# Allegro board ultrasound_tnr_1000a_01_20171121.brd (continued)
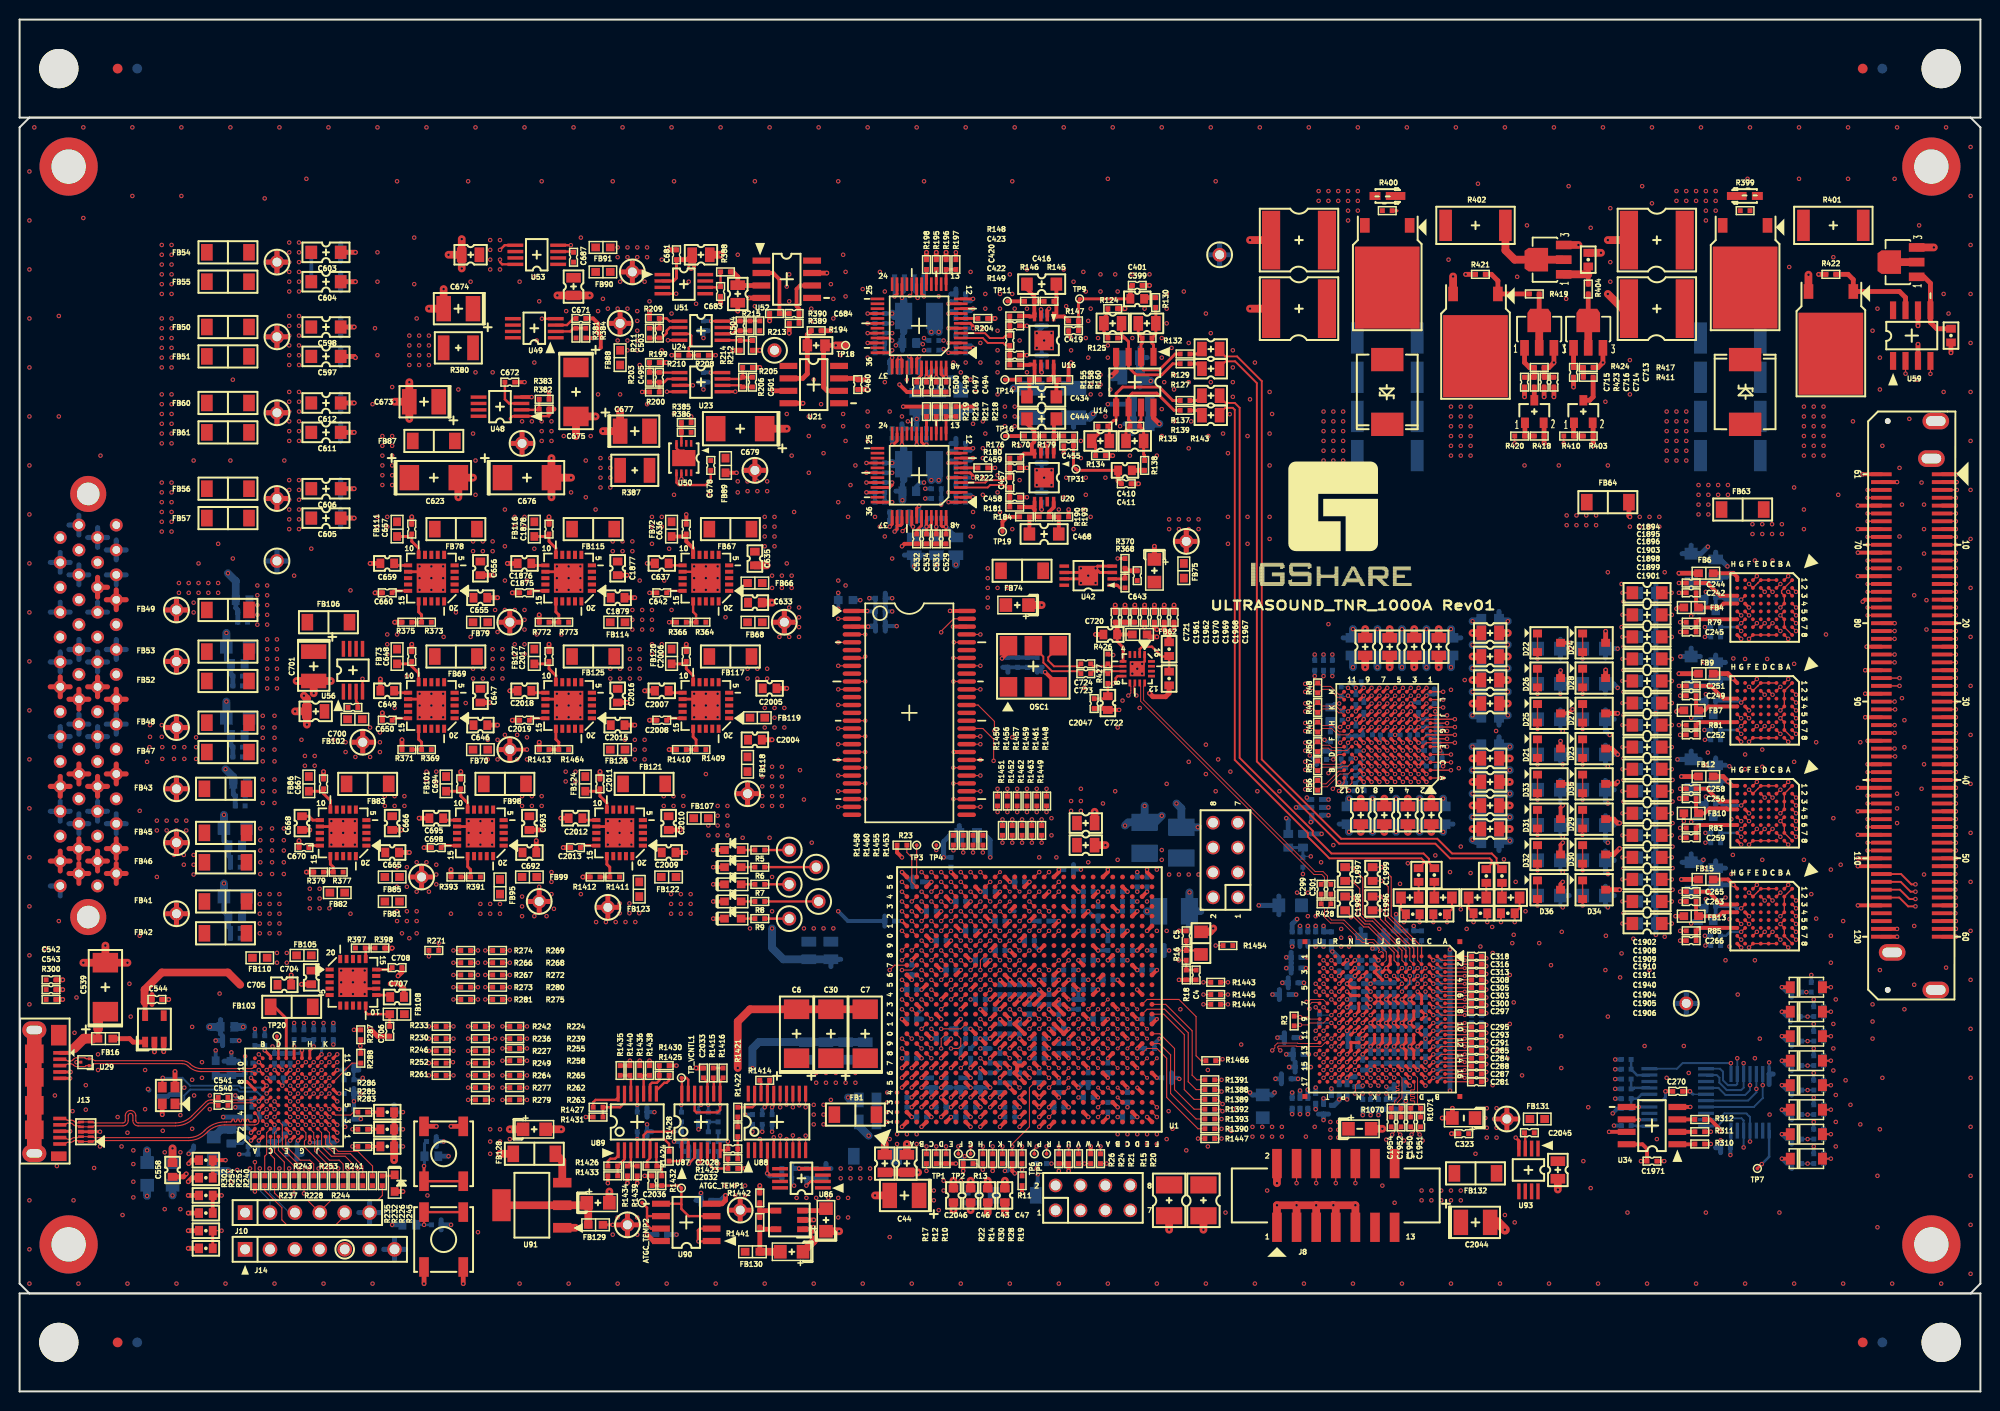
[diagram p0: board, top side]
## Footprints (pads in the part's own frame, mm; a bottom-side part is the same pattern mirrored in y, then rotated) (continued)
BGA676_26_1_SMD
  round 0.5 smd: A1(-12.5,12.5) A2(-11.5,12.5) A3(-10.5,12.5) A4(-9.5,12.5) A5(-8.5,12.5) A6(-7.5,12.5) A7(-6.5,12.5) A8(-5.5,12.5) A9(-4.5,12.5) A10(-3.5,12.5) A11(-2.5,12.5) A12(-1.5,12.5) A13(-0.5,12.5) A14(0.5,12.5) A15(1.5,12.5) A16(2.5,12.5) A17(3.5,12.5) A18(4.5,12.5) A19(5.5,12.5) A20(6.5,12.5) A21(7.5,12.5) A22(8.5,12.5) A23(9.5,12.5) A24(10.5,12.5) A25(11.5,12.5) A26(12.5,12.5) AA1(-12.5,-7.5) AA2(-11.5,-7.5) AA3(-10.5,-7.5) AA4(-9.5,-7.5) AA5(-8.5,-7.5) AA6(-7.5,-7.5) AA7(-6.5,-7.5) AA8(-5.5,-7.5) AA9(-4.5,-7.5) AA10(-3.5,-7.5) AA11(-2.5,-7.5) AA12(-1.5,-7.5) AA13(-0.5,-7.5) AA14(0.5,-7.5) AA15(1.5,-7.5) AA16(2.5,-7.5) AA17(3.5,-7.5) AA18(4.5,-7.5) AA19(5.5,-7.5) AA20(6.5,-7.5) AA21(7.5,-7.5) AA22(8.5,-7.5) AA23(9.5,-7.5) AA24(10.5,-7.5) AA25(11.5,-7.5) AA26(12.5,-7.5) AB1(-12.5,-8.5) AB2(-11.5,-8.5) AB3(-10.5,-8.5) AB4(-9.5,-8.5) AB5(-8.5,-8.5) AB6(-7.5,-8.5) AB7(-6.5,-8.5) AB8(-5.5,-8.5) AB9(-4.5,-8.5) AB10(-3.5,-8.5) AB11(-2.5,-8.5) AB12(-1.5,-8.5) AB13(-0.5,-8.5) AB14(0.5,-8.5) AB15(1.5,-8.5) AB16(2.5,-8.5) AB17(3.5,-8.5) AB18(4.5,-8.5) AB19(5.5,-8.5) AB20(6.5,-8.5) AB21(7.5,-8.5) AB22(8.5,-8.5) AB23(9.5,-8.5) AB24(10.5,-8.5) AB25(11.5,-8.5) AB26(12.5,-8.5) AC1(-12.5,-9.5) AC2(-11.5,-9.5) AC3(-10.5,-9.5) AC4(-9.5,-9.5) AC5(-8.5,-9.5) AC6(-7.5,-9.5) AC7(-6.5,-9.5) AC8(-5.5,-9.5) AC9(-4.5,-9.5) AC10(-3.5,-9.5) AC11(-2.5,-9.5) AC12(-1.5,-9.5) AC13(-0.5,-9.5) AC14(0.5,-9.5) AC15(1.5,-9.5) AC16(2.5,-9.5) AC17(3.5,-9.5) AC18(4.5,-9.5) AC19(5.5,-9.5) AC20(6.5,-9.5) AC21(7.5,-9.5) AC22(8.5,-9.5) AC23(9.5,-9.5) AC24(10.5,-9.5) AC25(11.5,-9.5) AC26(12.5,-9.5) AD1(-12.5,-10.5) AD2(-11.5,-10.5) AD3(-10.5,-10.5) AD4(-9.5,-10.5) AD5(-8.5,-10.5) AD6(-7.5,-10.5) AD7(-6.5,-10.5) AD8(-5.5,-10.5) AD9(-4.5,-10.5) AD10(-3.5,-10.5) AD11(-2.5,-10.5) AD12(-1.5,-10.5) AD13(-0.5,-10.5) AD14(0.5,-10.5) AD15(1.5,-10.5) AD16(2.5,-10.5) AD17(3.5,-10.5) AD18(4.5,-10.5) AD19(5.5,-10.5) AD20(6.5,-10.5) AD21(7.5,-10.5) AD22(8.5,-10.5) AD23(9.5,-10.5) AD24(10.5,-10.5) AD25(11.5,-10.5) AD26(12.5,-10.5) AE1(-12.5,-11.5) AE2(-11.5,-11.5) AE3(-10.5,-11.5) AE4(-9.5,-11.5) AE5(-8.5,-11.5) AE6(-7.5,-11.5) AE7(-6.5,-11.5) AE8(-5.5,-11.5) AE9(-4.5,-11.5) AE10(-3.5,-11.5) AE11(-2.5,-11.5) AE12(-1.5,-11.5) AE13(-0.5,-11.5) AE14(0.5,-11.5) AE15(1.5,-11.5) AE16(2.5,-11.5) AE17(3.5,-11.5) AE18(4.5,-11.5) AE19(5.5,-11.5) AE20(6.5,-11.5) AE21(7.5,-11.5) AE22(8.5,-11.5) AE23(9.5,-11.5) AE24(10.5,-11.5) AE25(11.5,-11.5) AE26(12.5,-11.5) AF1(-12.5,-12.5) AF2(-11.5,-12.5) AF3(-10.5,-12.5) AF4(-9.5,-12.5) AF5(-8.5,-12.5) AF6(-7.5,-12.5) AF7(-6.5,-12.5) AF8(-5.5,-12.5) AF9(-4.5,-12.5) AF10(-3.5,-12.5) AF11(-2.5,-12.5) AF12(-1.5,-12.5) AF13(-0.5,-12.5) AF14(0.5,-12.5) AF15(1.5,-12.5) AF16(2.5,-12.5) AF17(3.5,-12.5) AF18(4.5,-12.5) AF19(5.5,-12.5) AF20(6.5,-12.5) AF21(7.5,-12.5) AF22(8.5,-12.5) AF23(9.5,-12.5) AF24(10.5,-12.5) AF25(11.5,-12.5) AF26(12.5,-12.5) B1(-12.5,11.5) B2(-11.5,11.5) B3(-10.5,11.5) B4(-9.5,11.5) B5(-8.5,11.5) B6(-7.5,11.5) B7(-6.5,11.5) B8(-5.5,11.5) B9(-4.5,11.5) B10(-3.5,11.5) B11(-2.5,11.5) B12(-1.5,11.5) B13(-0.5,11.5) B14(0.5,11.5) B15(1.5,11.5) B16(2.5,11.5) B17(3.5,11.5) B18(4.5,11.5) B19(5.5,11.5) B20(6.5,11.5) B21(7.5,11.5) B22(8.5,11.5) B23(9.5,11.5) B24(10.5,11.5) B25(11.5,11.5) B26(12.5,11.5) C1(-12.5,10.5) C2(-11.5,10.5) C3(-10.5,10.5) C4(-9.5,10.5) C5(-8.5,10.5) C6(-7.5,10.5) C7(-6.5,10.5) C8(-5.5,10.5) C9(-4.5,10.5) C10(-3.5,10.5) C11(-2.5,10.5) C12(-1.5,10.5) C13(-0.5,10.5) C14(0.5,10.5) C15(1.5,10.5) C16(2.5,10.5) C17(3.5,10.5) C18(4.5,10.5) C19(5.5,10.5) C20(6.5,10.5) C21(7.5,10.5) C22(8.5,10.5) C23(9.5,10.5) C24(10.5,10.5) C25(11.5,10.5) C26(12.5,10.5) D1(-12.5,9.5) D2(-11.5,9.5) D3(-10.5,9.5) D4(-9.5,9.5) D5(-8.5,9.5) D6(-7.5,9.5) D7(-6.5,9.5) D8(-5.5,9.5) D9(-4.5,9.5) D10(-3.5,9.5) D11(-2.5,9.5) D12(-1.5,9.5) D13(-0.5,9.5) D14(0.5,9.5) D15(1.5,9.5) D16(2.5,9.5) D17(3.5,9.5) D18(4.5,9.5) D19(5.5,9.5) D20(6.5,9.5) D21(7.5,9.5) D22(8.5,9.5) D23(9.5,9.5) D24(10.5,9.5) D25(11.5,9.5) D26(12.5,9.5) E1(-12.5,8.5) E2(-11.5,8.5) E3(-10.5,8.5) E4(-9.5,8.5) E5(-8.5,8.5) E6(-7.5,8.5) E7(-6.5,8.5) E8(-5.5,8.5) E9(-4.5,8.5) E10(-3.5,8.5) E11(-2.5,8.5) E12(-1.5,8.5) E13(-0.5,8.5) E14(0.5,8.5) E15(1.5,8.5) E16(2.5,8.5) E17(3.5,8.5) E18(4.5,8.5) E19(5.5,8.5) E20(6.5,8.5) E21(7.5,8.5) E22(8.5,8.5) E23(9.5,8.5) E24(10.5,8.5) E25(11.5,8.5) E26(12.5,8.5) F1(-12.5,7.5) F2(-11.5,7.5) F3(-10.5,7.5) F4(-9.5,7.5) F5(-8.5,7.5) F6(-7.5,7.5) F7(-6.5,7.5) F8(-5.5,7.5) F9(-4.5,7.5) F10(-3.5,7.5) F11(-2.5,7.5) F12(-1.5,7.5) F13(-0.5,7.5) F14(0.5,7.5) F15(1.5,7.5) F16(2.5,7.5) F17(3.5,7.5) F18(4.5,7.5) F19(5.5,7.5) F20(6.5,7.5) F21(7.5,7.5) F22(8.5,7.5) F23(9.5,7.5) F24(10.5,7.5) F25(11.5,7.5) F26(12.5,7.5) G1(-12.5,6.5) G2(-11.5,6.5) G3(-10.5,6.5) G4(-9.5,6.5) G5(-8.5,6.5) G6(-7.5,6.5) G7(-6.5,6.5) G8(-5.5,6.5) G9(-4.5,6.5) G10(-3.5,6.5) G11(-2.5,6.5) G12(-1.5,6.5) G13(-0.5,6.5) G14(0.5,6.5) G15(1.5,6.5) G16(2.5,6.5) G17(3.5,6.5) G18(4.5,6.5) G19(5.5,6.5) G20(6.5,6.5) G21(7.5,6.5) G22(8.5,6.5) G23(9.5,6.5) G24(10.5,6.5) G25(11.5,6.5) G26(12.5,6.5) H1(-12.5,5.5) H2(-11.5,5.5) H3(-10.5,5.5) H4(-9.5,5.5) H5(-8.5,5.5) H6(-7.5,5.5) H7(-6.5,5.5) H8(-5.5,5.5) H9(-4.5,5.5) H10(-3.5,5.5) H11(-2.5,5.5) H12(-1.5,5.5) H13(-0.5,5.5) H14(0.5,5.5) H15(1.5,5.5) H16(2.5,5.5) H17(3.5,5.5) H18(4.5,5.5) H19(5.5,5.5) H20(6.5,5.5) H21(7.5,5.5) H22(8.5,5.5) H23(9.5,5.5) H24(10.5,5.5) H25(11.5,5.5) H26(12.5,5.5) J1(-12.5,4.5) J2(-11.5,4.5) J3(-10.5,4.5) J4(-9.5,4.5) J5(-8.5,4.5) J6(-7.5,4.5) J7(-6.5,4.5) J8(-5.5,4.5) J9(-4.5,4.5) J10(-3.5,4.5) J11(-2.5,4.5) J12(-1.5,4.5) J13(-0.5,4.5) J14(0.5,4.5) J15(1.5,4.5) J16(2.5,4.5) J17(3.5,4.5) J18(4.5,4.5) J19(5.5,4.5) J20(6.5,4.5) J21(7.5,4.5) J22(8.5,4.5) J23(9.5,4.5) J24(10.5,4.5) J25(11.5,4.5) J26(12.5,4.5) K1(-12.5,3.5) K2(-11.5,3.5) K3(-10.5,3.5) K4(-9.5,3.5) K5(-8.5,3.5) K6(-7.5,3.5) K7(-6.5,3.5) K8(-5.5,3.5) K9(-4.5,3.5) K10(-3.5,3.5) K11(-2.5,3.5) K12(-1.5,3.5) K13(-0.5,3.5) K14(0.5,3.5) K15(1.5,3.5) K16(2.5,3.5) K17(3.5,3.5) K18(4.5,3.5) K19(5.5,3.5) K20(6.5,3.5) K21(7.5,3.5) K22(8.5,3.5) K23(9.5,3.5) K24(10.5,3.5) K25(11.5,3.5) K26(12.5,3.5) L1(-12.5,2.5) L2(-11.5,2.5) L3(-10.5,2.5) L4(-9.5,2.5) L5(-8.5,2.5) L6(-7.5,2.5) L7(-6.5,2.5) L8(-5.5,2.5) L9(-4.5,2.5) L10(-3.5,2.5) L11(-2.5,2.5) L12(-1.5,2.5) L13(-0.5,2.5) L14(0.5,2.5) L15(1.5,2.5) L16(2.5,2.5) L17(3.5,2.5) L18(4.5,2.5) L19(5.5,2.5) L20(6.5,2.5) L21(7.5,2.5) L22(8.5,2.5) L23(9.5,2.5) L24(10.5,2.5) L25(11.5,2.5) L26(12.5,2.5) M1(-12.5,1.5) M2(-11.5,1.5) M3(-10.5,1.5) M4(-9.5,1.5) M5(-8.5,1.5) M6(-7.5,1.5) M7(-6.5,1.5) M8(-5.5,1.5) M9(-4.5,1.5) M10(-3.5,1.5) M11(-2.5,1.5) M12(-1.5,1.5) M13(-0.5,1.5) M14(0.5,1.5) M15(1.5,1.5) M16(2.5,1.5) M17(3.5,1.5) M18(4.5,1.5) M19(5.5,1.5) M20(6.5,1.5) M21(7.5,1.5) M22(8.5,1.5) M23(9.5,1.5) M24(10.5,1.5) M25(11.5,1.5) M26(12.5,1.5) N1(-12.5,0.5) N2(-11.5,0.5) N3(-10.5,0.5) N4(-9.5,0.5) N5(-8.5,0.5) N6(-7.5,0.5) N7(-6.5,0.5) N8(-5.5,0.5) N9(-4.5,0.5) N10(-3.5,0.5) N11(-2.5,0.5) N12(-1.5,0.5) N13(-0.5,0.5) N14(0.5,0.5) N15(1.5,0.5) N16(2.5,0.5) N17(3.5,0.5) N18(4.5,0.5) N19(5.5,0.5) N20(6.5,0.5) N21(7.5,0.5) N22(8.5,0.5) N23(9.5,0.5) N24(10.5,0.5) N25(11.5,0.5) N26(12.5,0.5) P1(-12.5,-0.5) P2(-11.5,-0.5) P3(-10.5,-0.5) P4(-9.5,-0.5) P5(-8.5,-0.5) P6(-7.5,-0.5) P7(-6.5,-0.5) P8(-5.5,-0.5) P9(-4.5,-0.5) P10(-3.5,-0.5) P11(-2.5,-0.5) P12(-1.5,-0.5) P13(-0.5,-0.5) P14(0.5,-0.5) P15(1.5,-0.5) P16(2.5,-0.5) P17(3.5,-0.5) P18(4.5,-0.5) P19(5.5,-0.5) P20(6.5,-0.5) P21(7.5,-0.5) P22(8.5,-0.5) P23(9.5,-0.5) P24(10.5,-0.5) P25(11.5,-0.5) P26(12.5,-0.5) R1(-12.5,-1.5) R2(-11.5,-1.5) R3(-10.5,-1.5) R4(-9.5,-1.5) R5(-8.5,-1.5) R6(-7.5,-1.5) R7(-6.5,-1.5) R8(-5.5,-1.5) R9(-4.5,-1.5) R10(-3.5,-1.5) R11(-2.5,-1.5) R12(-1.5,-1.5) R13(-0.5,-1.5) R14(0.5,-1.5) R15(1.5,-1.5) R16(2.5,-1.5) R17(3.5,-1.5) R18(4.5,-1.5) R19(5.5,-1.5) R20(6.5,-1.5) R21(7.5,-1.5) R22(8.5,-1.5) R23(9.5,-1.5) R24(10.5,-1.5) R25(11.5,-1.5) R26(12.5,-1.5) T1(-12.5,-2.5) T2(-11.5,-2.5) T3(-10.5,-2.5) T4(-9.5,-2.5) T5(-8.5,-2.5) T6(-7.5,-2.5) T7(-6.5,-2.5) T8(-5.5,-2.5) T9(-4.5,-2.5) T10(-3.5,-2.5) T11(-2.5,-2.5) T12(-1.5,-2.5) T13(-0.5,-2.5) T14(0.5,-2.5) T15(1.5,-2.5) T16(2.5,-2.5) T17(3.5,-2.5) T18(4.5,-2.5) T19(5.5,-2.5) T20(6.5,-2.5) T21(7.5,-2.5) T22(8.5,-2.5) T23(9.5,-2.5) T24(10.5,-2.5) T25(11.5,-2.5) T26(12.5,-2.5) U1(-12.5,-3.5) U2(-11.5,-3.5) U3(-10.5,-3.5) U4(-9.5,-3.5) U5(-8.5,-3.5) U6(-7.5,-3.5) U7(-6.5,-3.5) U8(-5.5,-3.5) U9(-4.5,-3.5) U10(-3.5,-3.5) U11(-2.5,-3.5) U12(-1.5,-3.5) U13(-0.5,-3.5) U14(0.5,-3.5) U15(1.5,-3.5) U16(2.5,-3.5) U17(3.5,-3.5) U18(4.5,-3.5) U19(5.5,-3.5) U20(6.5,-3.5) U21(7.5,-3.5) U22(8.5,-3.5) U23(9.5,-3.5) U24(10.5,-3.5) U25(11.5,-3.5) U26(12.5,-3.5) V1(-12.5,-4.5) V2(-11.5,-4.5) V3(-10.5,-4.5) V4(-9.5,-4.5) V5(-8.5,-4.5) V6(-7.5,-4.5) V7(-6.5,-4.5) V8(-5.5,-4.5) V9(-4.5,-4.5) V10(-3.5,-4.5) V11(-2.5,-4.5) V12(-1.5,-4.5) V13(-0.5,-4.5) V14(0.5,-4.5) V15(1.5,-4.5) V16(2.5,-4.5) V17(3.5,-4.5) V18(4.5,-4.5) V19(5.5,-4.5) V20(6.5,-4.5) V21(7.5,-4.5) V22(8.5,-4.5) V23(9.5,-4.5) V24(10.5,-4.5) V25(11.5,-4.5) V26(12.5,-4.5) W1(-12.5,-5.5) W2(-11.5,-5.5) W3(-10.5,-5.5) W4(-9.5,-5.5) W5(-8.5,-5.5) W6(-7.5,-5.5) W7(-6.5,-5.5) W8(-5.5,-5.5) W9(-4.5,-5.5) W10(-3.5,-5.5) W11(-2.5,-5.5) W12(-1.5,-5.5) W13(-0.5,-5.5) W14(0.5,-5.5) W15(1.5,-5.5) W16(2.5,-5.5) W17(3.5,-5.5) W18(4.5,-5.5) W19(5.5,-5.5) W20(6.5,-5.5) W21(7.5,-5.5) W22(8.5,-5.5) W23(9.5,-5.5) W24(10.5,-5.5) W25(11.5,-5.5) W26(12.5,-5.5) Y1(-12.5,-6.5) Y2(-11.5,-6.5) Y3(-10.5,-6.5) Y4(-9.5,-6.5) Y5(-8.5,-6.5) Y6(-7.5,-6.5) Y7(-6.5,-6.5) Y8(-5.5,-6.5) Y9(-4.5,-6.5) Y10(-3.5,-6.5) Y11(-2.5,-6.5) Y12(-1.5,-6.5) Y13(-0.5,-6.5) Y14(0.5,-6.5) Y15(1.5,-6.5) Y16(2.5,-6.5) Y17(3.5,-6.5) Y18(4.5,-6.5) Y19(5.5,-6.5) Y20(6.5,-6.5) Y21(7.5,-6.5) Y22(8.5,-6.5) Y23(9.5,-6.5) Y24(10.5,-6.5) Y25(11.5,-6.5) Y26(12.5,-6.5)
BOX_HEADER2X7_2MM_SMD
  rect 0.991x2.997 smd: 1(-6,-3.25) 2(-6,3.25) 3(-4,-3.25) 4(-4,3.25) 5(-2,-3.25) 6(-2,3.25) 7(0,-3.25) 8(0,3.25) 9(2,-3.25) 10(2,3.25) 11(4,-3.25) 12(4,3.25) 13(6,-3.25) 14(6,3.25)
CC1005
  rect 0.508x0.508 smd: 1(-0.5,0) 2(0.5,0)
CC1608
  rect 0.813x0.991 smd: 1(-0.7,0) 2(0.7,0)
CC2012
  rect 0.991x1.499 smd: 1(-0.9,0) 2(0.9,0)
CC3216
  rect 1.194x1.346 smd: 1(-1.5,0) 2(1.5,0)
CC3225
  rect 1.753x2.692 smd: 1(-1.575,0) 2(1.575,0)
CC5750
  rect 1.854x5.994 smd: 1(-2.848,0) 2(2.848,0)
DFN8_3_0_5
  rect 0.254x0.686 smd: 1(-0.75,-1.5) 2(-0.25,-1.5) 3(0.25,-1.5) 4(0.75,-1.5) 5(0.75,1.5) 6(0.25,1.5) 7(-0.25,1.5) 8(-0.75,1.5)
  rect 2.388x1.651 smd: 9(0,0)
DGN8_3_0_65
  rect 0.356x0.991 smd: 1(-0.975,-2.45) 2(-0.325,-2.45) 3(0.325,-2.45) 4(0.975,-2.45) 5(0.975,2.45) 6(0.325,2.45) 7(-0.325,2.45) 8(-0.975,2.45)
  rect 2.007x2.007 smd: 9(0,0)
DO-214AB
  rect 2.388x3.302 smd: 1(3.3,0) 2(-3.3,0)
EVQQ2
  rect 2.007x0.991 smd: 1(-2.8,2) 2(-2.8,-2) 3(2.8,2) 4(2.8,-2)
FX18-120S_0_8SV15-HRS
  round 0.584 hole 0.61 unplated: (-29.025,-2.45) (29.025,-2.45)
  rect 0.406x2.108 smd: 1(-23.6,3.1) 2(-22.8,3.1) 3(-22,3.1) 4(-21.2,3.1) 5(-20.4,3.1) 6(-19.6,3.1) 7(-18.8,3.1) 8(-18,3.1) 9(-17.2,3.1) 10(-16.4,3.1) 11(-15.6,3.1) 12(-14.8,3.1) 13(-14,3.1) 14(-13.2,3.1) 15(-12.4,3.1) 16(-11.6,3.1) 17(-10.8,3.1) 18(-10,3.1) 19(-9.2,3.1) 20(-8.4,3.1) 21(-7.6,3.1) 22(-6.8,3.1) 23(-6,3.1) 24(-5.2,3.1) 25(-4.4,3.1) 26(-3.6,3.1) 27(-2.8,3.1) 28(-2,3.1) 29(-1.2,3.1) 30(-0.4,3.1) 31(0.4,3.1) 32(1.2,3.1) 33(2,3.1) 34(2.8,3.1) 35(3.6,3.1) 36(4.4,3.1) 37(5.2,3.1) 38(6,3.1) 39(6.8,3.1) 40(7.6,3.1) 41(8.4,3.1) 42(9.2,3.1) 43(10,3.1) 44(10.8,3.1) 45(11.6,3.1) 46(12.4,3.1) 47(13.2,3.1) 48(14,3.1) 49(14.8,3.1) 50(15.6,3.1) 51(16.4,3.1) 52(17.2,3.1) 53(18,3.1) 54(18.8,3.1) 55(19.6,3.1) 56(20.4,3.1) 57(21.2,3.1) 58(22,3.1) 59(22.8,3.1) 60(23.6,3.1) 61(-23.6,-3.1) 62(-22.8,-3.1) 63(-22,-3.1) 64(-21.2,-3.1) 65(-20.4,-3.1) 66(-19.6,-3.1) 67(-18.8,-3.1) 68(-18,-3.1) 69(-17.2,-3.1) 70(-16.4,-3.1) 71(-15.6,-3.1) 72(-14.8,-3.1) 73(-14,-3.1) 74(-13.2,-3.1) 75(-12.4,-3.1) 76(-11.6,-3.1) 77(-10.8,-3.1) 78(-10,-3.1) 79(-9.2,-3.1) 80(-8.4,-3.1) 81(-7.6,-3.1) 82(-6.8,-3.1) 83(-6,-3.1) 84(-5.2,-3.1) 85(-4.4,-3.1) 86(-3.6,-3.1) 87(-2.8,-3.1) 88(-2,-3.1) 89(-1.2,-3.1) 90(-0.4,-3.1) 91(0.4,-3.1) 92(1.2,-3.1) 93(2,-3.1) 94(2.8,-3.1) 95(3.6,-3.1) 96(4.4,-3.1) 97(5.2,-3.1) 98(6,-3.1) 99(6.8,-3.1) 100(7.6,-3.1) 101(8.4,-3.1) 102(9.2,-3.1) 103(10,-3.1) 104(10.8,-3.1) 105(11.6,-3.1) 106(12.4,-3.1) 107(13.2,-3.1) 108(14,-3.1) 109(14.8,-3.1) 110(15.6,-3.1) 111(16.4,-3.1) 112(17.2,-3.1) 113(18,-3.1) 114(18.8,-3.1) 115(19.6,-3.1) 116(20.4,-3.1) 117(21.2,-3.1) 118(22,-3.1) 119(22.8,-3.1) 120(23.6,-3.1)
  oval 1.702x2.718 hole 0.991x2.007: 121(-29.025,2.45) 122(-25.2,2) 123(25.2,-2) 124(29.025,2.45)
HEADER2X4_2_54MM
  round 1.397 hole 0.991: 1(-5.08,-1.27) 2(-5.08,1.27) 3(-2.54,-1.27) 4(-2.54,1.27) 5(0,-1.27) 6(0,1.27) 7(2.54,-1.27) 8(2.54,1.27)
HEADER6
  rect 1.499x1.499 hole 1: 1(0,0)
  round 1.499 hole 1: 2(2.54,0) 3(5.08,0) 4(7.62,0) 5(10.16,0) 6(12.7,0)
HEADER7
  rect 1.499x1.499 hole 1: 1(0,0)
  round 1.499 hole 1: 2(2.54,0) 3(5.08,0) 4(7.62,0) 5(10.16,0) 6(12.7,0) 7(15.24,0)
HOLE3_5
  round 5.944 hole 3.5: 1(0,0)
LED1608
  rect 0.889x0.813 smd: 1(-0.851,0) 2(0.851,0)
MAX4968
  round 0.4 smd: A1(-2.8,2.8) A2(-2,2.8) A3(-1.2,2.8) A4(-0.4,2.8) A5(0.4,2.8) A6(1.2,2.8) A7(2,2.8) A8(2.8,2.8) B1(-2.8,2) B2(-2,2) B3(-1.2,2) B4(-0.4,2) B5(0.4,2) B6(1.2,2) B7(2,2) B8(2.8,2) C1(-2.8,1.2) C2(-2,1.2) C3(-1.2,1.2) C4(-0.4,1.2) C5(0.4,1.2) C6(1.2,1.2) C7(2,1.2) C8(2.8,1.2) D1(-2.8,0.4) D2(-2,0.4) D3(-1.2,0.4) D4(-0.4,0.4) D5(0.4,0.4) D6(1.2,0.4) D7(2,0.4) D8(2.8,0.4) E1(-2.8,-0.4) E2(-2,-0.4) E3(-1.2,-0.4) E4(-0.4,-0.4) E5(0.4,-0.4) E6(1.2,-0.4) E7(2,-0.4) E8(2.8,-0.4) F1(-2.8,-1.2) F2(-2,-1.2) F3(-1.2,-1.2) F4(-0.4,-1.2) F5(0.4,-1.2) F6(1.2,-1.2) F7(2,-1.2) F8(2.8,-1.2) G1(-2.8,-2) G2(-2,-2) G3(-1.2,-2) G4(-0.4,-2) G5(0.4,-2) G6(1.2,-2) G7(2,-2) G8(2.8,-2) H1(-2.8,-2.8) H2(-2,-2.8) H3(-1.2,-2.8) H4(-0.4,-2.8) H5(0.4,-2.8) H6(1.2,-2.8) H7(2,-2.8) H8(2.8,-2.8)
MSOP8_3_4_9_0_65
  rect 0.356x1.626 smd: 1(-0.975,-2.185) 2(-0.325,-2.185) 3(0.325,-2.185) 4(0.975,-2.185) 5(0.975,2.185) 6(0.325,2.185) 7(-0.325,2.185) 8(-0.975,2.185)
NX2520SA
  rect 1.092x0.914 smd: 1(-0.85,-0.65) 2(0.85,-0.65) 3(0.85,0.65) 4(-0.85,0.65)
QFN16WH3_00P0_500F0_60H1_55
  rect 0.279x0.711 smd: 1(-0.75,-1.45) 2(-0.25,-1.45) 3(0.25,-1.45) 4(0.75,-1.45) 9(0.75,1.45) 10(0.25,1.45) 11(-0.25,1.45) 12(-0.75,1.45)
  rect 0.711x0.279 smd: 5(1.45,-0.75) 6(1.45,-0.25) 7(1.45,0.25) 8(1.45,0.75) 13(-1.45,0.75) 14(-1.45,0.25) 15(-1.45,-0.25) 16(-1.45,-0.75)
  rect 1.549x1.549 smd: 17(0,0)
QFN20WH5_00P0_650F0_55H3_00
  rect 0.406x0.838 smd: 1(-1.3,-2.375) 2(-0.65,-2.375) 3(0,-2.375) 4(0.65,-2.375) 5(1.3,-2.375) 11(1.3,2.375) 12(0.65,2.375) 13(0,2.375) 14(-0.65,2.375) 15(-1.3,2.375)
  rect 0.838x0.406 smd: 6(2.375,-1.3) 7(2.375,-0.65) 8(2.375,0) 9(2.375,0.65) 10(2.375,1.3) 16(-2.375,1.3) 17(-2.375,0.65) 18(-2.375,0) 19(-2.375,-0.65) 20(-2.375,-1.3)
  rect 2.997x2.997 smd: 21(0,0)
QFP48WH8_50P0_500F1_40
  rect 0.279x1.397 smd: 1(-2.75,-4.25) 2(-2.25,-4.25) 3(-1.75,-4.25) 4(-1.25,-4.25) 5(-0.75,-4.25) 6(-0.25,-4.25) 7(0.25,-4.25) 8(0.75,-4.25) 9(1.25,-4.25) 10(1.75,-4.25) 11(2.25,-4.25) 12(2.75,-4.25) 25(2.75,4.25) 26(2.25,4.25) 27(1.75,4.25) 28(1.25,4.25) 29(0.75,4.25) 30(0.25,4.25) 31(-0.25,4.25) 32(-0.75,4.25) 33(-1.25,4.25) 34(-1.75,4.25) 35(-2.25,4.25) 36(-2.75,4.25)
  rect 1.397x0.279 smd: 13(4.25,-2.75) 14(4.25,-2.25) 15(4.25,-1.75) 16(4.25,-1.25) 17(4.25,-0.75) 18(4.25,-0.25) 19(4.25,0.25) 20(4.25,0.75) 21(4.25,1.25) 22(4.25,1.75) 23(4.25,2.25) 24(4.25,2.75) 37(-4.25,2.75) 38(-4.25,2.25) 39(-4.25,1.75) 40(-4.25,1.25) 41(-4.25,0.75) 42(-4.25,0.25) 43(-4.25,-0.25) 44(-4.25,-0.75) 45(-4.25,-1.25) 46(-4.25,-1.75) 47(-4.25,-2.25) 48(-4.25,-2.75)
RC1005
  rect 0.508x0.508 smd: 1(-0.5,0) 2(0.5,0)
RC1608
  rect 0.813x0.991 smd: 1(-0.7,0) 2(0.7,0)
RC2012
  rect 0.991x1.245 smd: 1(-0.9,0) 2(0.9,0)
RC3216
  rect 1.194x1.346 smd: 1(-1.5,0) 2(1.5,0)
RC3225
  rect 1.194x2.54 smd: 1(-1.5,0) 2(1.5,0)
RC6432
  rect 1.295x3.2 smd: 1(-3.05,0) 2(3.05,0)
SLO-10
  rect 1.803x2.007 smd: 1(-2.54,-2.1) 2(0,-2.1) 3(2.54,-2.1) 4(2.54,2.1) 5(0,2.1) 6(-2.54,2.1)
SOD-123W
  rect 0.914x1.219 smd: 1(-1.638,0) 2(1.638,0)
SOP8_3_9_6_1_27
  rect 0.635x1.829 smd: 1(-1.905,-2.583) 2(-0.635,-2.583) 3(0.635,-2.583) 4(1.905,-2.583) 5(1.905,2.583) 6(0.635,2.583) 7(-0.635,2.583) 8(-1.905,2.583)
SOP10W1P0_500F0_55
  rect 0.279x0.61 smd: 1(-1,-0.5) 2(-0.5,-0.5) 4(0.5,-0.5) 5(1,-0.5) 6(1,0.5) 7(0.5,0.5) 9(-0.5,0.5) 10(-1,0.5)
  rect 0.406x0.61 smd: 3(0,-0.5) 8(0,0.5)
SOT23
  rect 0.813x1.067 smd: 1(-0.954,-1.147) 2(0.954,-1.147) 3(0,1.147)
SOT23-5P
  rect 0.61x1.092 smd: 1(-0.95,-1.35) 2(0,-1.35) 3(0.95,-1.35) 4(0.95,1.35) 5(-0.95,1.35)
SOT89-B
  rect 0.889x1.6 smd: 1(-1.499,0) 2(0,0) 3(1.499,0)
  custom 2.413x2.4 smd: 4(0,2.794)
SOT-3P_DRT
  rect 0.305x0.305 smd: 1(-0.35,-0.35) 2(0.35,-0.35) 3(0,0.5)
SOT-23
  rect 0.813x0.914 smd: 1(-0.95,-1.175) 2(0.95,-1.175) 3(0,1.175)
SOT-223
  rect 0.991x1.88 smd: 1(-2.3,-3.099) 2(0,-3.099) 3(2.3,-3.099)
  rect 3.277x1.88 smd: 4(0,3.099)
TC2012
  rect 1.295x1.397 smd: 1(-1.156,0) 2(1.156,0)
TC3528
  rect 1.499x2.591 smd: 1(-1.5,0) 2(1.5,0)
TC6032
  rect 2.007x2.591 smd: 1(-2.5,0) 2(2.5,0)
TO-252
  rect 0.991x1.499 smd: 1(-2.286,0) 3(2.286,0)
  rect 6.604x8.382 smd: 2(0,6.35)
TP0_5_SMD
  round 0.406 smd: 1(0,0)
TSSOP14_4_4_6_4_0_65
  rect 0.33x1.626 smd: 1(-1.95,-2.888) 2(-1.3,-2.888) 3(-0.65,-2.888) 4(0,-2.888) 5(0.65,-2.888) 6(1.3,-2.888) 7(1.95,-2.888) 8(1.95,2.888) 9(1.3,2.888) 10(0.65,2.888) 11(0,2.888) 12(-0.65,2.888) 13(-1.3,2.888) 14(-1.95,2.888)
TSSOP20_4_4_6_4_0_65
  rect 0.33x1.626 smd: 1(-2.925,-2.888) 2(-2.275,-2.888) 3(-1.625,-2.888) 4(-0.975,-2.888) 5(-0.325,-2.888) 6(0.325,-2.888) 7(0.975,-2.888) 8(1.625,-2.888) 9(2.275,-2.888) 10(2.925,-2.888) 11(2.925,2.888) 12(2.275,2.888) 13(1.625,2.888) 14(0.975,2.888) 15(0.325,2.888) 16(-0.325,2.888) 17(-0.975,2.888) 18(-1.625,2.888) 19(-2.275,2.888) 20(-2.925,2.888)
TSSOP54W12_00P0_800F0_80
  oval 0.457x1.905 smd: 1(-10.4,-5.85) 2(-9.6,-5.85) 3(-8.8,-5.85) 4(-8,-5.85) 5(-7.2,-5.85) 6(-6.4,-5.85) 7(-5.6,-5.85) 8(-4.8,-5.85) 9(-4,-5.85) 10(-3.2,-5.85) 11(-2.4,-5.85) 12(-1.6,-5.85) 13(-0.8,-5.85) 14(0,-5.85) 15(0.8,-5.85) 16(1.6,-5.85) 17(2.4,-5.85) 18(3.2,-5.85) 19(4,-5.85) 20(4.8,-5.85) 21(5.6,-5.85) 22(6.4,-5.85) 23(7.2,-5.85) 24(8,-5.85) 25(8.8,-5.85) 26(9.6,-5.85) 27(10.4,-5.85) 28(10.4,5.85) 29(9.6,5.85) 30(8.8,5.85) 31(8,5.85) 32(7.2,5.85) 33(6.4,5.85) 34(5.6,5.85) 35(4.8,5.85) 36(4,5.85) 37(3.2,5.85) 38(2.4,5.85) 39(1.6,5.85) 40(0.8,5.85) 41(0,5.85) 42(-0.8,5.85) 43(-1.6,5.85) 44(-2.4,5.85) 45(-3.2,5.85) 46(-4,5.85) 47(-4.8,5.85) 48(-5.6,5.85) 49(-6.4,5.85) 50(-7.2,5.85) 51(-8,5.85) 52(-8.8,5.85) 53(-9.6,5.85) 54(-10.4,5.85)
unnamed#2
  round 4 hole 4 unplated: (0,0)
unnamed#3
  round 1 smd: (0,0)
ZD-TFZ12B
  rect 2.007x0.813 smd: 1(1.35,0)
  rect 1.118x0.813 smd: 2(-0.75,0)
ZX360D-B-10P
  rect 0.381x1.346 smd: 1(-1.3,2.6) 2(-0.65,2.6) 3(0,2.6) 4(0.65,2.6) 5(1.3,2.6) 6(5.4,2.6) 7(6.05,2.6) 8(6.7,2.6) 9(7.35,2.6) 10(8,2.6)
  oval 1.778x2.464 hole 0.85x1.6: 11(-3.635,0) 12(8.965,0)
  rect 1.905x1.905 smd: 13(-1.2,0) 14(1.2,0) 15(4.05,0) 16(6.55,0)
  rect 2.108x1.6 smd: S1(-3.1,2.5)
  rect 0.991x1.6 smd: S2(9.25,2.5)

## Nets
A1V2P_USB: C555.2 C556.2 FB84.2 U26.A7
A1V8P_AFE: C322.1 C324.1 C325.1 C339.1 C340.1 C341.1 C343.1 FB79.2 TH22.1 U11.L5 U11.L6 U11.L7 U11.L11 U11.L12 U11.L13
A3V3N_PLS: C227.1 C228.1 C229.1 C230.1 C232.1 C233.1 C234.1 C235.1 C236.1 FB75.2 TH17.1 U3.G3 U3.G4 U3.G5 U3.G6 U3.G7 U3.G8 U3.H3 U3.J2 U3.J3
A3V3N_VCNTL: C2025.1 C2035.1 C2038.1 FB130.2 TH45.1 U87.11 U89.11 U90.4
A3V3P_AFE: C326.1 C327.1 C328.1 C329.1 C330.1 C331.1 C332.1 C333.1 C334.1 C344.1 C345.1 C346.1 C347.1 C348.1 C349.1 C350.1 C351.1 C352.1 C353.1 C354.1 C355.1 C356.1 C357.1 C358.1 C359.1 C360.1 C361.1 C362.1 C363.1 FB114.2 U11.E6 U11.E7 U11.E11 U11.E12 U11.E13 U11.E14 U11.F6 U11.F7 U11.F11 U11.F12 U11.F13 U11.F14 U11.G6 U11.G7 U11.G11 U11.G12 U11.H6 U11.H7 U11.H11 U11.H12 U11.J6 U11.J7 U11.J11 U11.J12 U11.K6 U11.K7 U11.K11 U11.K12
A3V3P_HVMUX: FB4.2 FB7.2 FB10.2 FB13.2 FB66.2
A3V3P_PLS: C215.1 C216.1 C217.1 C218.1 C219.1 C220.1 C221.1 C222.1 C223.1 FB68.2 TH15.1 U3.D2 U3.D3 U3.E3 U3.F3 U3.F4 U3.F5 U3.F6 U3.F7 U3.F8
A3V3P_VCNTL: C2020.1 C2021.1 C2022.1 C2023.1 C2027.1 C2030.1 C2031.1 C2034.1 C2037.1 FB129.2 R1414.2 TH44.1 U86.2 U87.4 U88.16 U88.17 U89.4 U90.8
A3V5P: C629.1 C630.1 C631.1 C632.1 C635.1 C656.1 C1877.1 FB47.2 FB48.2 FB67.1 FB78.1 FB115.1
A3V5P_IN: FB47.1 FB48.1 J12.25 J12.26 J12.27 J12.28 TH11.1
A5VN_CW: C402.1 C403.1 C417.2 C418.1 C452.1 FB89.2 TH31.1 U14.4 U16.6 U20.6
A5VP_AFE: C320.1 C321.1 C323.1 C335.1 C336.1 C337.1 C338.1 C342.1 FB131.2 TH46.1 U11.D6 U11.D7 U11.D8 U11.D9 U11.D10 U11.D11 U11.D12
A5VP_BIAS: FB72.1 FB73.1 FB86.1 FB101.1 FB102.2 FB108.1 FB111.1 FB116.1 FB120.1 FB124.1 FB127.1 TH41.1
A5VP_CW: C395.1 C397.1 C428.2 C429.1 C460.2 C462.2 C477.1 C478.1 C479.1 C480.1 C481.1 C482.1 C483.1 C484.1 C485.1 C486.1 C487.1 C488.1 C489.1 C490.1 C513.1 C514.1 C515.1 C516.1 C517.1 C518.1 C519.1 C520.1 C521.1 C522.1 C523.1 C524.1 C525.1 C526.1 C680.1 C681.1 FB88.2 TH30.1 U14.8 U16.3 U20.3 U21.7 U22.2 U22.7 U22.10 U22.12 U22.42 U25.2 U25.7 U25.10 U25.12 U25.42 U51.2 U52.7
A6VN: C594.1 C595.1 C596.1 C644.2 C2041.2 FB49.2 FB74.1 R387.2 U92.2 U92.3
A6VN_IN: FB49.1 J12.37 J12.38 J12.39 J12.40 TH7.1
A6VP: C599.1 C600.1 C601.1 C602.1 C686.1 C701.1 C2039.1 C2044.1 FB52.2 FB53.2 FB106.1 FB128.1 FB132.1 R380.2 U53.5 U53.8
A6VP_IN: FB52.1 FB53.1 J12.31 J12.32 J12.33 J12.34 TH8.1
A12VN: C714.2 C716.2 Q6.3 Q10.3 R417.1 R424.1
A12VP: C617.2 C618.2 C619.2 C623.1 FB43.2 FB63.1 FB87.1 U59.6
A12VP_HVMUX: FB5.2 FB8.2 FB11.2 FB14.2 FB63.2
A12VP_IN: FB43.1 J12.17 J12.18 J12.19 J12.20 TH5.1
D1V2P_AFE: C364.1 C365.1 C366.1 C367.1 C368.1 C369.1 C370.1 C371.1 C372.1 C373.1 C374.1 C375.1 C376.1 C377.1 C378.1 C379.1 C380.1 C381.1 C382.1 C383.1 C384.1 C385.1 FB85.2 TH26.1 U11.L3 U11.M4 U11.M5 U11.M6 U11.M12 U11.M13 U11.M14 U11.N2 U11.N3 U11.N4 U11.N5 U11.N6 U11.N12 U11.N13 U11.N14 U11.N15 U11.N16 U11.P2 U11.P3 U11.P15 U11.P16
D1V2P_FPGA_MGT: FB2.1 FB81.2
D1V2P_USB: C545.2 C546.2 C547.2 C548.2 C549.2 C550.2 C551.2 C552.2 C553.2 C554.2 C563.2 C564.2 FB17.2 FB18.2 FB82.2 FB84.1 U26.B10 U26.C3 U26.E9 U26.F11 U26.H1 U26.J11 U26.L5 U26.L7
D1V8P_AFE: C386.1 C387.1 C388.1 C389.1 C390.1 C391.1 C392.1 C393.1 C394.1 FB118.2 TH42.1 U11.P4 U11.P5 U11.P6 U11.P7 U11.P11 U11.P12 U11.P13 U11.P14
D1V8P_FPGA: C48.1 C49.1 C50.1 C51.1 C52.1 C53.1 C54.1 C55.1 C56.1 C57.1 C58.1 C59.1 C60.1 C61.1 FB123.2 TH43.1 U1.AA1 U1.AA11 U1.AB8 U1.AC5 U1.AD2 U1.AD12 U1.AE9 U1.AF6 U1.U3 U1.V10 U1.W7 U1.Y4
D1V8P_PLS: C210.1 C211.1 C212.1 C213.1 C231.1 C237.1 C238.1 C239.1 FB119.2 R53.2 R58.2 R61.2 U3.A10 U3.B10 U3.C10 U3.D10 U3.J10 U3.K10 U3.L10 U3.M10
D1V8P_VCCAUX: C35.1 C36.1 C37.1 C38.1 C39.1 C40.1 C41.1 C42.1 C43.1 C44.1 C46.1 C47.1 C2046.1 FB122.2 R31.2 U1.L11 U1.M10 U1.P8 U1.P10 U1.R9 U1.T8 U1.T10 U1.U11
D1VP_FPGA_MGT: FB1.1 FB95.2
D1VP_VCCINT: C6.1 C7.1 C8.1 C9.1 C10.1 C11.1 C12.1 C13.1 C14.1 C15.1 C16.1 C17.1 C18.1 C19.1 C20.1 C21.1 C22.1 C26.1 C27.1 C28.1 C29.1 C30.1 C31.1 C32.1 C33.1 C609.1 C610.1 FB99.2 TH39.1 U1.J9 U1.K8 U1.K10 U1.K12 U1.K14 U1.L9 U1.L13 U1.L15 U1.M8 U1.M14 U1.N9 U1.N13 U1.N15 U1.P14 U1.R13 U1.R15 U1.T12 U1.T14 U1.U13 U1.U15
D2V5P_CLK: C1963.1 C1964.1 C1965.1 C1966.1 C1967.1 C1968.1 C1969.1 C1970.1 FB62.1 FB126.2 OSC1.6 R1467.2
D2V5P_FPGA: C79.1 C80.1 C81.1 C82.1 C83.1 C84.1 C85.1 C86.1 C87.1 C88.1 C89.1 C90.1 C91.1 C92.1 C93.1 C94.1 C95.1 C96.1 C97.1 C98.1 C99.1 C100.1 C101.1 C102.1 C103.1 C104.1 C105.1 C106.1 FB70.2 FB133.2 TH18.1 U1.AA21 U1.AB18 U1.AC15 U1.AC25 U1.AD22 U1.AE19 U1.AF16 U1.AF26 U1.K24 U1.N25 U1.P22 U1.R19 U1.T16 U1.T26 U1.U23 U1.V20 U1.W17 U1.Y14 U1.Y24
D2VP: C625.1 C626.1 C627.1 C628.1 C666.1 C693.1 FB45.2 FB46.2 FB83.1 FB98.1
D2VP_IN: FB45.1 FB46.1 J12.11 J12.12 J12.13 J12.14 TH10.1
